# KiCad board ulx4m_panel.kicad_pcb (continued)
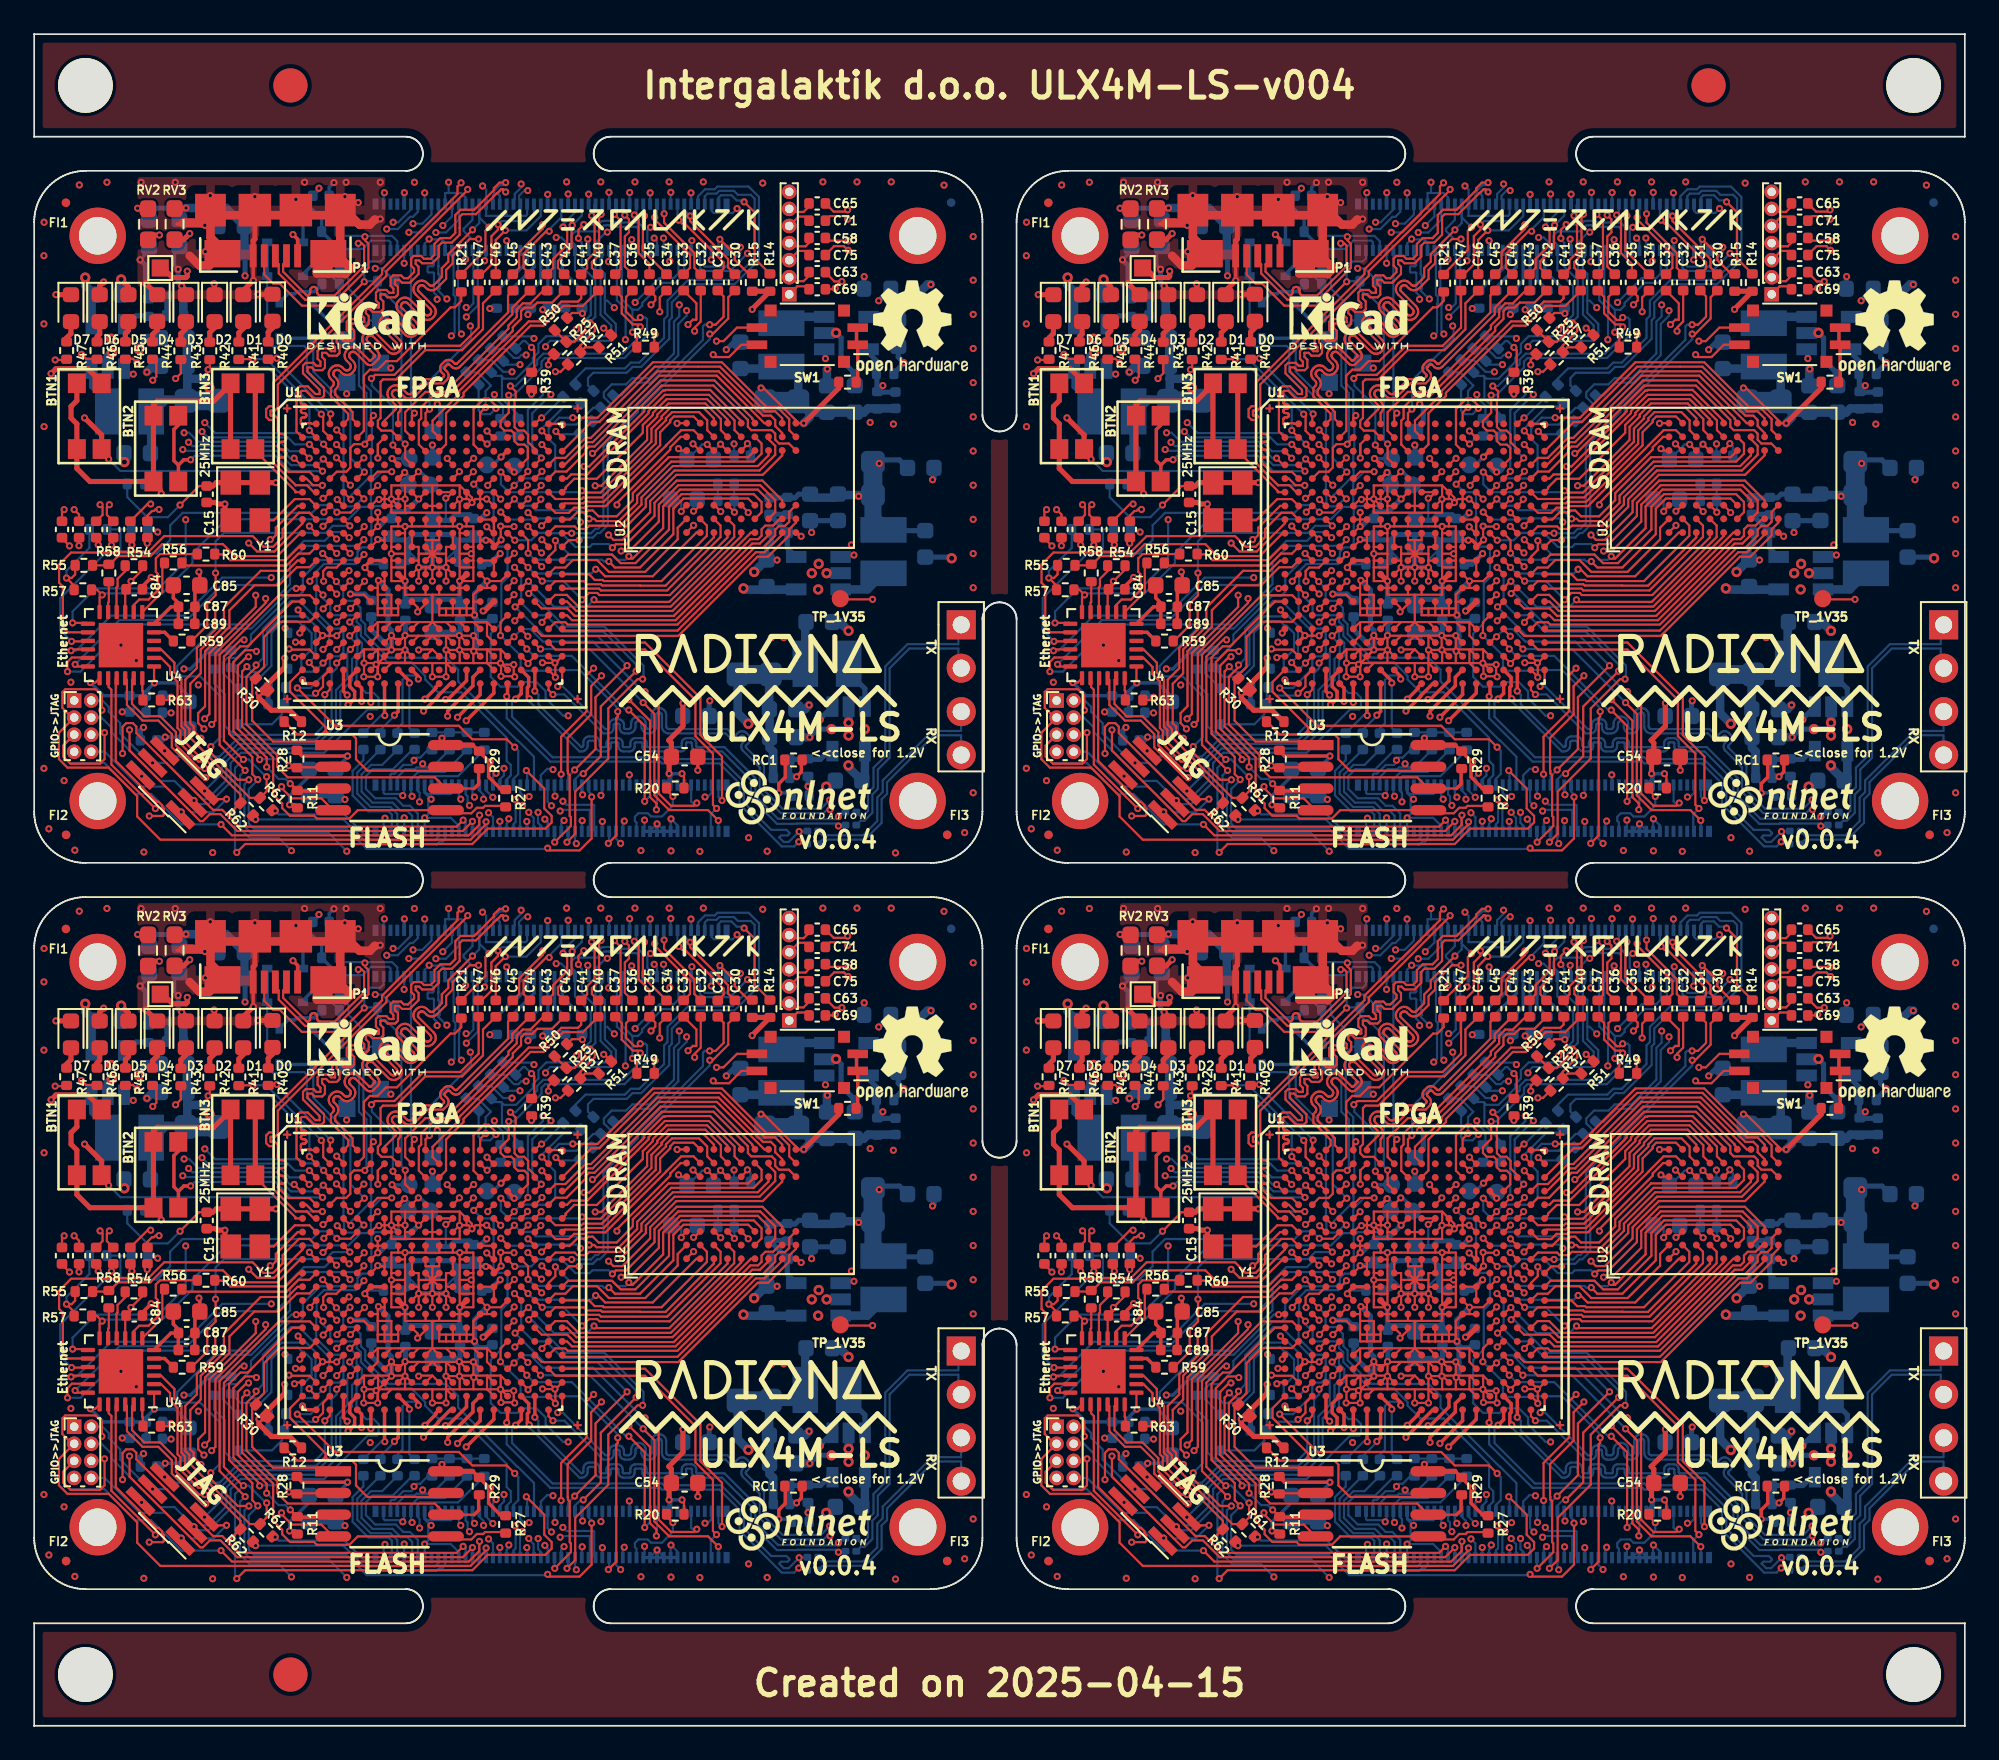
[diagram p0: board, top side]
## Routing (per net, layer and track width the routed paths; a pad name or vN(x,y) marks a point on that pad's centre or on a via; arc(x,y) is an arc through that point) (continued)
Board_2-HDMI1_CLK_P: length 4.6
  Top w0.127: C41.2 32.37,42.81 32.37,43.29 32.81,43.72 32.81,45.56 32.69,45.68
  Top w0.2: 32.69,45.68 32.63,45.74 v1(32.63,45.88)
  Bottom w0.127: v1(32.63,45.88) 32.78,46.03 32.78,46.48 J2#4.64
Board_2-HDMI1_HOTPLUG: length 3
  Bottom w0.2: R17#2.2 27.91,42.32 28.01,42.32 28.86,43.17 28.86,43.7
Board_2-HDMI1_SCL: length 2.5
  Bottom w0.2: 29.66,43.7 29.66,42.08 29.07,41.49 R10.2
Board_2-HDMI1_SDA: length 2.7
  Bottom w0.2: R13#2.2 28.07,41.67 29.26,42.86 29.26,43.7
Board_2-HDMI1_TX0_N: length 4.8
  Top w0.127: v1(31.5,45.32) 31.46,45.28 31.46,44.02 30.66,43.22 30.66,42.82 C42#4.2
  Bottom w0.127: v1(31.5,45.32) 32.06,45.88 J2#4.60
Board_2-HDMI1_TX0_P: length 5
  Top w0.127: C43#4.2 30.38,42.82 30.38,43.35 31.2,44.17 31.2,44.97 v1(30.96,45.21)
  Bottom w0.127: v1(30.96,45.21) 30.96,45.37 31.66,46.07 J2#4.58
Board_2-HDMI1_TX1_N: length 5.3
  Top w0.127: C44#3.2 28.65,42.83 28.65,43.65 29.97,44.97 v1(30.15,44.97)
  Bottom w0.127: J2#4.54 30.86,45.78 30.15,45.08 v1(30.15,44.97)
Board_2-HDMI1_TX1_P: length 5.1
  Top w0.127: v1(29.76,45.35) 29.76,45.12 28.39,43.75 28.39,42.83 C45#2.2
  Bottom w0.127: v1(29.76,45.35) 30.46,46.05 J2#4.52
Board_2-HDMI1_TX2_N: length 5.9
  Top w0.127: v1(27.58,45.02) 27.02,44.46 C46#2.2
  Bottom w0.127: J2#4.48 29.66,45.86 28.82,45.02 v1(27.58,45.02)
Board_2-HDMI1_TX2_P: length 6.5
  Top w0.127: C47.2 26.2,42.46 26.77,43.02 26.77,44.67 27.15,45.06 v1(27.15,45.36)
  Bottom w0.127: v1(27.15,45.36) 27.36,45.57 28.94,45.57 29.26,45.88 J2#4.46
Board_2-ID_SC: length 62.4
  Top w0.127: U1#3.J3 17.36,27.3 v1(17.7,26.96)
  In2signal.Cu w0.127: v1(17.7,26.96) 17.62,27.04 15.82,27.04 15.25,27.61 8.62,27.61 8.2,28.02 1.5,28.02 1.12,27.65 1.12,13.93 1.29,13.76 1.29,10.78 2.79,9.29 11.81,9.29 12.08,9.56 26.53,9.56 27.26,10.29 v1(27.26,10.44)
  Bottom w0.127: J1#2.35 27.26,10.43 v1(27.26,10.44)
Board_2-ID_SD: length 63.1
  Top w0.127: U1#3.H1 15.71,27.88 14.06,26.23 13.05,26.23 v1(12.56,26.72)
  In2signal.Cu w0.127: 12.6,26.81 12.1,27.31 8.05,27.31 7.59,27.77 1.61,27.77 1.38,27.54 1.38,14.04 1.78,13.64 5.07,13.64 5.93,12.78 5.93,10.63 6.46,10.09 7.01,10.09 7.19,10.27 7.66,10.27 8.34,9.6 11.76,9.6 11.98,9.81 26.43,9.81 26.86,10.25 26.86,10.63 27.5,11.27 27.5,13.54 v1(27.5,13.54)
  Bottom w0.127: J1#2.36 27.26,12.88 27.5,13.13 v1(27.5,13.54)
Board_2-JTAG_TCK: length 26.5
  Top w0.127: U1#3.T5 18.51,21.3 v1(18.47,21.3)
  Bottom w0.127: J6.2 3.35,17.5 4,17.5 4.36,17.13 4.36,16.85 5.04,16.17 5.04,15.58 6.77,13.85 v1(6.93,13.85) 7.76,13.85 9.87,11.74 10.14,11.74 11.25,12.84 11.25,13.94 12,14.7 16.74,14.7 17.92,15.87 17.92,17.44 17.92,17.45 17.92,18.01 18.61,18.7 18.61,19.94 18.92,20.25 18.92,20.78 18.47,21.23 v1(18.47,21.3)
Board_2-JTAG_TDI: length 28.9
  Top w0.127: U1#3.R5 18.51,22.1 v1(18.48,22.1)
  Bottom w0.127: J6.4 3.94,16.51 4.52,15.93 4.52,15.66 7.38,12.8 8.22,12.8 v1(9.36,11.65) 9.57,11.44 10.22,11.44 11.5,12.73 11.5,13.85 12.1,14.45 16.98,14.45 19.52,16.99 20.06,16.99 20.16,17.09 20.16,17.67 19.88,17.95 19.43,17.95 18.87,18.51 18.87,19.84 19.18,20.15 19.18,20.88 18.87,21.19 18.87,21.7 v1(18.48,22.1)
Board_2-JTAG_TDO: length 19.6
  Top w0.127: v1(17.71,19.7) U1#3.V4
  In2signal.Cu w0.127: v1(7.64,14.56) 7.32,14.88 4.8,14.88 4.45,15.23 3.62,15.23 J6.6
  Bottom w0.127: v1(17.71,19.7) 17.71,19.4 17.42,19.11 17.42,16.13 16.5,15.22 11.84,15.22 10.85,14.23 7.97,14.23 v1(7.64,14.56)
Board_2-JTAG_TMS: length 26.3
  Top w0.127: v1(11.26,11.74) 10.44,11.74 v1(9.97,12.21) ; U1#3.U5 v1(18.51,20.5)
  Bottom w0.127: v1(9.97,12.21) 10.99,13.24 10.99,14.04 11.92,14.97 16.6,14.97 17.66,16.03 17.66,17.55 17.67,17.55 17.67,18.12 18.33,18.78 18.33,20.32 v1(18.51,20.5) ; v1(11.26,11.74) 10.49,10.97 9.2,10.97 7.7,12.47 6.17,12.47 4.13,14.51 J6.8
Board_2-LED0: length 5.7
  Top w0.127: U1#3.A3 17.31,34.23 v1(17.36,34.28) ; v1(14.21,37.54) 14.18,37.51 13.7,37.51
  Bottom w0.127: v1(14.21,37.54) 14.21,37.43 v1(17.36,34.28)
Board_2-LED1: length 7.7
  Top w0.127: v1(16.81,34.26) 16.92,34.15 16.92,33.29 U1#3.B3 ; v1(12.81,37.49) 11.99,37.49
  Bottom w0.127: v1(12.81,37.49) 13.58,37.49 v1(16.81,34.26)
Board_2-LED2: length 9.5
  Top w0.127: v1(10.18,36.87) 10.28,36.97 10.28,37.49 ; U1#3.B2 16.11,33.3 v1(16.11,33.32)
  Bottom w0.127: v1(10.18,36.87) 10.3,36.99 13.7,36.99 16.11,34.58 v1(16.11,33.32)
Board_2-LED3: length 12.6
  Top w0.127: v1(16.94,32.51) 16.94,32.46 U1#3.C3 ; 8.59,37.49 8.59,36.65 v1(8.28,36.35)
  In2signal.Cu w0.127: v1(9.99,33.77) 9.91,33.77 8.28,35.4 v1(8.28,36.35)
  Bottom w0.127: v1(16.94,32.51) 16.53,32.92 15.79,32.92 15.55,33.16 10.6,33.16 v1(9.99,33.77)
Board_2-LED4: length 12.8
  Top w0.127: 6.93,37.51 7.15,37.28 7.15,36.46 v1(6.94,36.25) ; U1#3.C2 v1(16.11,32.5)
  In2signal.Cu w0.127: v1(6.94,36.25) 6.94,36.13 v1(9.82,33.25)
  Bottom w0.127: v1(9.82,33.25) 10.17,32.9 14.85,32.9 15.26,32.5 v1(16.11,32.5)
Board_2-LED5: length 14.5
  Top w0.127: v1(16.1,31.69) 15.71,32.08 U1#3.C1 ; 5.34,37.51 5.78,37.51 v1(6.02,37.27)
  In2signal.Cu w0.127: v1(8.78,33.17) 6.2,35.75 6.2,37.09 v1(6.02,37.27)
  Bottom w0.127: v1(8.78,33.17) 9.07,33.17 9.6,32.65 14.39,32.65 14.94,32.1 15.69,32.1 v1(16.1,31.69)
Board_2-LED6: length 16.6
  Top w0.127: v1(2.77,37.77) 3.03,37.51 3.68,37.51 ; U1#3.D1 15.61,31.3 v1(15.22,31.69)
  In2signal.Cu w0.127: v1(9.04,32.62) 8.74,32.62 5.22,36.14 4.69,36.14 3.07,37.77 v1(2.77,37.77)
  Bottom w0.127: v1(15.22,31.69) 14.98,31.69 14.27,32.39 9.26,32.39 v1(9.04,32.62)
Board_2-LED7: length 19.6
  Top w0.127: v1(16.92,31.64) 17.27,31.3 U1#3.D3 ; 1.9,37.51 1.83,37.44 v1(1.23,37.44)
  In2signal.Cu w0.127: v1(1.23,37.44) 1.4,37.27 3.13,37.27 4.51,35.89 5,35.89 5.82,35.06 5.83,35.06 v1(8.7,32.19)
  Bottom w0.127: v1(16.92,31.64) 16.56,31.28 15.03,31.28 14.19,32.12 8.77,32.12 v1(8.7,32.19)
Board_2-Net-(BTN1-Pad1): length 25.6
  Top w0.127: v3(7.44,29.61) 7.44,29.87 BTN2#3.1
  Top w0.3: BTN3#2.1 BTN3#2.1 11.5,36.01 10.51,35.03 7.21,35.03 6.98,34.8 BTN2#3.1 BTN2#3.1 3.27,30.32 2.5,31.09 BTN1.1 2.5,33.7 2.16,34.04 2.16,34.72 2.5,35.06 BTN1.1
  Bottom w0.127: v3(7.44,29.61) 6.87,30.18 R18.1
Board_2-Net-(R70-Pad2): length 3.2
  Top w0.2: SW1.1 48.21,36.23 R70.2 ; 48.14,39.32 48.14,38.32
Board_2-Net-(RC1-Pad1): length 2.9
  Top w0.2: 43.97,14.03 43.97,13.02 43.59,12.64 v1(43.59,12.1)
  Bottom w0.2: v1(43.59,12.1) 44.23,12.1 44.38,11.95
Board_2-Net-(U1A-PT13B): length 1.5
  Top w0.2: v1(20.95,31.67) 21.31,31.31 U1#3.D8
  Bottom w0.2: v1(20.95,31.67) 20.96,31.66 TP_D8#4.1
Board_2-Net-(U1A-PT20B): length 1.7
  Top w0.127: v1(22.49,30.9) 22.11,30.52 U1#3.E9
  Bottom w0.2: TP_E9#4.1 23.17,30.33 22.6,30.9 v1(22.49,30.9)
Board_2-Net-(U1B-GR_PCLK1_0): length 11.6
  Top w0.127: v1(24.18,31.67) 24.18,31.63 U1#3.D12
  In2signal.Cu w0.127: v1(24.18,31.67) 24.62,32.11 24.62,34.12 25.26,34.76 25.26,35.52 27.47,37.73 v1(28.8,37.73)
  Bottom w0.127: v1(28.8,37.73) 28.52,37.73 28.35,37.55 28.08,37.55 27.54,38.1 R26#2.2
Board_2-Net-(U1B-GR_PCLK1_1): length 10.3
  Top w0.127: U1#3.E12 24.89,30.88 v1(24.89,30.9)
  In2signal.Cu w0.127: v1(28.44,37.16) 28.11,37.5 27.63,37.5 25.52,35.39 25.52,34.66 24.89,34.03 v1(24.89,30.9)
  Bottom w0.127: R38#4.1 27.68,37.16 v1(28.44,37.16)
Board_2-Net-(U1B-PT80A): length 9.8
  Top w0.127: R25.2 30.1,37.45 v1(30.1,37.15) ; v1(25.73,31.68) 25.69,31.68 U1#3.D13
  In2signal.Cu w0.127: v1(25.73,31.68) 25.73,31.91 25.29,32.35 25.29,33.12 26.15,33.98 27.32,33.98 28.26,34.91 28.26,35.58 29.83,37.15 v1(30.1,37.15)
Board_2-Net-(U1B-PT80B): length 10.9
  Top w0.127: R37.1 30.82,36.75 v1(30.51,36.75) ; U1#3.E13 v1(25.71,30.9)
  In2signal.Cu w0.127: v1(30.51,36.75) 29.79,36.75 28.51,35.47 28.51,34.81 27.43,33.73 26.26,33.73 25.55,33.02 25.55,32.44 26.13,31.86 26.13,31.32 v1(25.71,30.9)
Board_2-Net-(U1B-PT83A): length 4.3
  Top w0.127: U1#3.A14 26.11,34.35 v1(26.43,34.66)
  Bottom w0.127: R24.2 25.97,36.7 26.74,35.94 26.43,35.62 v1(26.43,34.66)
Board_2-Net-(U1B-PT83B): length 7.3
  Top w0.127: U1#3.C14 25.72,32.49 25.72,34.56 26.34,35.17 26.6,35.17 27.03,34.75 v1(27.03,34.6)
  Bottom w0.127: R36.1 26.02,34.48 26.24,34.26 26.69,34.26 v1(27.03,34.6)
Board_2-Net-(U1B-PT112A): length 1.5
  Top w0.2: U1#3.C16 27.67,32.1 v1(27.33,31.76)
  Bottom w0.2: v1(27.33,31.76) 26.87,31.3 TP_C16#2.1
Board_2-Net-(U1B-PT112B): length 0.9
  Top w0.2: v1(28.1,30.88) 27.71,31.27 U1#3.D16
  Bottom w0.2: v1(28.1,30.88) 28.11,30.89 TP_D16#3.1
Board_2-Net-(U1B-PT119A): length 2.3
  Top w0.127: U1#3.A18 29.66,34.05 v1(29.7,34.05)
  Bottom w0.127: v1(29.7,34.05) 29.74,34.05 R23#3.2
Board_2-Net-(U1B-PT119B): length 3.6
  Top w0.127: U1#3.B19 v1(29.72,33.29)
  Bottom w0.127: R35#2.1 31.83,34.71 31.02,34.71 29.72,33.42 v1(29.72,33.29)
Board_2-Net-(U1B-PT121A): length 3.5
  Top w0.127: U1#3.A19 30.88,33.7 v1(30.92,33.66)
  Bottom w0.127: v1(30.92,33.66) 31.75,33.66 32.73,34.64 R22#2.2
Board_2-Net-(U1B-PT121B): length 2
  Top w0.127: v1(30.54,33.26) 30.55,33.26 U1#3.B20
  Bottom w0.127: R34#3.1 31.9,33.09 30.71,33.09 v1(30.54,33.26)
Board_2-nEXTRST: length 16.9
  Top w0.127: v1(40.26,11.66) 40.26,14.22 39,15.49 39,17.66 35.76,20.9 U1#3.U20
  Bottom w0.127: v1(40.26,11.66) 40.06,11.86 J1#2.100
Board_2-PCIe_CLK_N: length 35.9
  Top w0.127: v1(1.75,28.68) 1.63,28.55 C66.2
  In2signal.Cu w0.127: v1(20.64,45.1) 20.83,44.91 20.83,43.44 20.65,43.27 20.65,43.14 20.83,42.97 20.83,42.2 17.71,39.08 17.29,39.08 17.06,39.3 16.43,39.3 16.28,39.15 16.28,38.52 16.5,38.29 16.5,38.21 15.37,37.08 15.3,37.08 15.13,37.24 14.84,37.24 14.59,36.99 14.59,36.7 15.09,36.21 15.09,36.1 14.98,36 14.91,36 14.4,36.51 14.11,36.51 13.82,36.22 13.82,35.53 12.05,33.75 12.05,33.52 12.21,33.36 12.21,33.34 12.05,33.18 12.03,33.18 11.87,33.34 11.64,33.34 9.26,30.97 3.02,30.97 2.78,30.73 2.57,30.73 2.53,30.77 2.32,30.77 2.32,30.56 2.36,30.52 2.36,30.31 1.91,29.86 1.91,28.95 1.75,28.78
  Bottom w0.127: J2#4.12 22.46,46.1 22.17,45.81 22,45.81 21.29,45.1 v1(20.64,45.1)
Board_2-PCIe_CLK_nREQ: length 19.2
  Top w0.127: v1(23.14,34.56) 22.91,34.33 U1#3.A10
  In2signal.Cu w0.127: v1(25.53,39.43) 25.8,39.7 25.8,40.72 24.7,41.82 24.7,45.59 23.8,46.49 21.24,46.49 v1(20.5,47.23)
  Bottom w0.127: v1(20.5,47.23) 20.46,47.18 J2#4.2 ; v1(25.53,39.43) 25.58,39.38 25.58,38.67 23.15,36.24 23.15,34.57 v1(23.14,34.56)
Board_2-PCIe_CLK_P: length 35.3
  Top w0.127: C59#2.1 2.63,28.39 v1(2.34,28.68)
  In2signal.Cu w0.127: v1(21.02,45.5) 21.08,45.43 21.08,44.28 21.33,44.03 21.33,43.98 21.08,43.73 21.08,42.09 17.81,38.82 17.18,38.82 16.95,39.05 16.53,39.05 16.53,38.62 16.76,38.4 16.76,38.1 15.48,36.82 15.19,36.82 15.03,36.99 14.95,36.99 14.85,36.88 14.85,36.81 15.06,36.59 15.07,36.59 15.34,36.32 15.34,36 15.09,35.74 14.8,35.74 14.29,36.25 14.22,36.25 14.11,36.15 14.11,36.07 14.28,35.91 14.28,35.62 12.3,33.65 12.3,33.63 12.47,33.46 12.47,33.23 12.16,32.92 11.93,32.92 11.76,33.09 11.74,33.09 9.37,30.72 3.13,30.72 2.19,29.78 2.19,28.83 v1(2.34,28.68)
  Bottom w0.127: v1(21.02,45.5) 21.31,45.5 22.06,46.24 J2#4.10
Board_2-PCIe_nRST: length 10.3
  Top w0.127: v1(22.26,34.32) 22.11,34.18 U1#3.A9
  Bottom w0.127: J2#4.9 22.06,34.52 v1(22.26,34.32)
Board_2-PCIe_RX_N: length 35.2
  Top w0.127: v1(3.86,28.97) 4,28.82 4,28.37 C67#3.2
  In2signal.Cu w0.127: v1(3.86,28.97) 4,29.11 4,29.4 4.38,29.77 4.94,29.77 5.22,29.5 5.22,28.99 5.34,28.86 5.47,28.99 5.47,30.12 5.74,30.38 5.97,30.38 6.23,30.12 6.23,29.89 6.35,29.77 6.67,29.77 7.24,30.34 7.68,30.34 7.78,30.44 7.98,30.44 8.08,30.34 8.28,30.34 8.38,30.44 8.58,30.44 8.68,30.34 10.33,30.34 10.33,30.51 10.16,30.67 10.16,31.04 10.33,31.21 10.7,31.21 10.87,31.04 11.03,31.04 11.04,31.06 11.04,31.22 10.88,31.38 10.88,31.76 11.04,31.92 11.41,31.92 11.58,31.76 11.74,31.76 14.04,34.06 22.42,42.44 22.42,44.76 22.28,44.91 v1(21.93,44.91)
  Bottom w0.127: J2#4.18 23.66,45.95 22.61,44.91 v1(21.93,44.91)
Board_2-PCIe_RX_P: length 35.5
  Top w0.127: v1(4.4,28.97) 4.26,28.82 4.26,28.37 C61#3.1
  In2signal.Cu w0.127: v1(22.18,45.41) 22.68,44.91 22.68,42.84 22.8,42.71 23.11,42.71 23.24,42.59 23.11,42.46 22.8,42.46 11.93,31.59 11.85,31.5 11.47,31.5 11.31,31.67 11.15,31.67 11.13,31.65 11.13,31.49 11.29,31.32 11.29,30.95 11.13,30.79 10.76,30.79 10.6,30.95 10.43,30.95 10.42,30.94 10.42,30.77 10.58,30.61 10.58,30.24 10.43,30.09 8.12,30.09 7.92,29.89 7.82,29.89 7.62,30.09 7.34,30.09 6.77,29.52 6.24,29.52 5.98,29.78 5.98,30.01 5.87,30.13 5.84,30.13 5.73,30.01 5.73,28.88 5.45,28.61 5.24,28.61 4.96,28.88 4.96,29.39 4.84,29.52 4.48,29.52 4.26,29.29 4.26,29.11 v1(4.4,28.97)
  Bottom w0.127: v1(22.18,45.41) 22.72,45.41 23.26,45.95 J2#4.16
Board_2-PCIe_TX_N: length 34.9
  Top w0.127: C72#2.2 6.64,29.01 v1(6.82,29.01)
  In2signal.Cu w0.127: v1(6.82,29.01) 7.04,29.01 7.12,29.09 7.7,29.09 8.24,29.62 10.82,29.62 11.98,30.79 12.05,30.84 12.13,30.88 12.21,30.9 12.29,30.9 12.38,30.88 12.45,30.84 12.52,30.79 12.97,30.34 12.99,30.32 13.02,30.31 13.05,30.3 13.09,30.3 13.12,30.31 13.15,30.32 13.17,30.34 13.19,30.37 13.21,30.4 13.21,30.43 13.21,30.46 13.21,30.49 13.19,30.52 13.17,30.55 12.73,30.99 12.67,31.06 12.64,31.14 12.62,31.22 12.62,31.3 12.64,31.39 12.67,31.46 12.73,31.53 12.76,31.56 12.83,31.62 12.9,31.65 12.99,31.67 13.07,31.67 13.16,31.65 13.23,31.62 13.3,31.56 13.74,31.12 13.77,31.1 13.8,31.08 13.83,31.08 13.86,31.08 13.9,31.08 13.92,31.1 13.95,31.12 13.97,31.14 13.98,31.17 13.99,31.21 13.99,31.24 13.98,31.27 13.97,31.3 13.95,31.33 13.51,31.77 13.45,31.84 13.42,31.91 13.4,32 13.4,32.08 13.42,32.17 13.45,32.24 13.51,32.31 13.54,32.34 13.61,32.4 13.68,32.43 13.77,32.45 13.85,32.45 13.93,32.43 14.01,32.4 14.08,32.34 14.38,32.04 14.41,32.02 14.44,32 14.47,32 14.5,32 14.53,32 14.56,32.02 14.59,32.04 14.61,32.06 14.62,32.09 14.63,32.13 14.63,32.16 14.62,32.19 14.61,32.22 14.59,32.24 14.28,32.55 14.23,32.61 14.19,32.69 14.17,32.77 14.17,32.86 14.19,32.94 14.23,33.02 14.28,33.09 14.31,33.11 14.35,33.15 14.41,33.17 14.46,33.19 14.52,33.19 14.57,33.17 14.62,33.15 14.67,33.11 14.77,33.01 14.78,33.01 14.78,33.01 14.98,33.21 14.98,33.21 14.98,33.22 14.87,33.32 14.84,33.36 14.81,33.42 14.8,33.47 14.8,33.53 14.81,33.58 14.84,33.63 14.87,33.68 15.08,33.88 18.88,37.69 19.27,37.69 23.66,42.08 23.66,44.75 v1(23.51,44.89)
  Bottom w0.127: v1(23.51,44.89) 24.11,44.89 24.86,45.65 24.86,46.41
Board_2-PCIe_TX_P: length 34.6
  Top w0.127: C55.1 6.63,28.33 6.9,28.6 7.01,28.6 7.1,28.69 v1(7.31,28.69)
  In2signal.Cu w0.127: v1(23.92,45.3) 23.92,44.12 24.07,43.97 24.27,43.97 24.42,43.82 24.27,43.67 24.07,43.67 23.92,43.52 23.92,41.98 19.88,37.93 19.88,37.92 19.38,37.43 18.99,37.43 15.07,33.5 15.06,33.5 15.07,33.49 15.17,33.39 15.2,33.35 15.23,33.29 15.24,33.24 15.24,33.18 15.23,33.13 15.2,33.08 15.17,33.03 14.95,32.82 14.91,32.78 14.86,32.76 14.8,32.75 14.75,32.75 14.69,32.76 14.64,32.78 14.6,32.82 14.5,32.92 14.49,32.92 14.48,32.92 14.46,32.89 14.45,32.87 14.44,32.83 14.44,32.8 14.45,32.77 14.46,32.74 14.48,32.71 14.79,32.41 14.84,32.34 14.88,32.27 14.9,32.18 14.9,32.1 14.88,32.02 14.84,31.94 14.79,31.87 14.75,31.84 14.69,31.79 14.61,31.75 14.53,31.73 14.44,31.73 14.36,31.75 14.28,31.79 14.21,31.84 13.91,32.14 13.89,32.16 13.86,32.18 13.82,32.18 13.79,32.18 13.76,32.18 13.73,32.16 13.7,32.14 13.68,32.12 13.67,32.09 13.66,32.06 13.66,32.02 13.67,31.99 13.68,31.96 13.7,31.94 14.15,31.49 14.2,31.43 14.24,31.35 14.26,31.27 14.26,31.18 14.24,31.1 14.2,31.02 14.15,30.95 14.12,30.92 14.05,30.87 13.97,30.83 13.89,30.81 13.8,30.81 13.72,30.83 13.64,30.87 13.58,30.92 13.13,31.36 13.11,31.39 13.08,31.4 13.05,31.41 13.01,31.41 12.98,31.4 12.95,31.39 12.93,31.36 12.91,31.34 12.89,31.31 12.89,31.28 12.89,31.25 12.89,31.21 12.91,31.18 12.93,31.16 13.37,30.71 13.42,30.65 13.46,30.57 13.48,30.49 13.48,30.4 13.46,30.32 13.42,30.24 13.37,30.18 13.34,30.14 13.27,30.09 13.2,30.05 13.11,30.03 13.03,30.03 12.94,30.05 12.87,30.09 12.8,30.14 12.36,30.59 12.33,30.61 12.3,30.62 12.27,30.63 12.24,30.63 12.2,30.62 12.17,30.61 12.15,30.59 10.93,29.37 9.23,29.37 9.06,29.19 8.93,29.19 8.76,29.37 8.35,29.37 7.76,28.78 7.4,28.78 v1(7.31,28.69)
  Bottom w0.127: J2#4.22 24.46,45.84 v1(23.92,45.3)
Board_2-PWRBTn: length 20.8
  Top w0.2: v1(21.69,30.86) 21.33,30.5 U1#3.E8
  Bottom w0.127: TP_E8#4.1 21.33,29.58 21.33,29.16 21.06,28.89 19.96,28.89 19.74,28.67 19.74,26.65 19.55,26.47 19.2,26.47 18.94,26.21 18.93,26.21 18.93,25.96 18.7,25.73 16.74,25.73 15.73,24.72 15.73,23.87 ; 15.73,23.85 15.73,23.87 ; 15.73,23.87 15.5,23.64 14.97,23.64 12.69,21.36 12.69,20.82 11.87,20 11.3,20 11.05,19.74 11.05,19.11 D28.1
  Bottom w0.2: v1(21.69,30.86) 21.9,30.65 TP_E8#4.1
Board_2-RGMII_REF_CLK: length 22.6
  Top w0.127: U4#3.14 1.98,21.5 1.68,21.8 1.68,24.21 1.65,24.21 1.46,24.4 1.46,25.47 2.16,26.17 4.76,26.17 4.8,26.21 6.69,26.21 7.61,27.13 12.79,27.13 13.41,26.51 13.99,26.51 14.55,27.06 14.55,27.54 15.5,28.5 16.11,28.5 U1#3.H2
Board_2-RGMII_RX_DV: length 13.6
  Top w0.127: R55#2.2 4.31,25.42 R58#2.1 4.43,25.48 4.91,25.96 6.8,25.96 7.5,26.66 8.47,26.66 8.47,26.66 11.05,26.66 11.75,25.96 14.23,25.96 15.57,27.3 U1#3.J1
Board_2-RGMII_RXD0: length 5.6
  Top w0.127: U1#3.K1 15.5,26.5 14.72,25.72 11.48,25.72 11.14,26.06 10.59,26.06 R60#4.2
Board_2-RGMII_RXD1: length 8.4
  Top w0.127: R56#2.2 8.8,25.41 14.77,25.41 15.47,26.11 16.12,26.11 U1#3.K2
Board_2-RGMII_TX_CLK: length 15.2
  Top w0.127: v1(18.48,27.73) U1#3.H4 ; v1(10.62,24.97) 10.62,24.97 10.62,23.66 10.13,23.17 10.13,21.91 9.21,20.99 R59#4.2
  Bottom w0.127: v1(10.62,24.97) 10.62,26.82 11.11,27.32 17.07,27.32 17.48,27.73 v1(18.48,27.73)
Board_2-RGMII_TX_EN: length 19.8
  Top w0.127: v1(17.71,26.12) 17.69,26.12 U1#3.K3 ; U4#3.16 2.24,20.5 v1(2.16,20.42)
  In2signal.Cu w0.127: v1(13.88,24.7) 15.67,26.49 17.05,26.49 17.42,26.12 v1(17.71,26.12)
  Bottom w0.127: v1(13.88,24.7) 11.01,24.7 8.79,22.48 4.51,22.48 2.46,20.42 v1(2.16,20.42)
Board_2-RGMII_TXD0: length 23.8
  Top w0.127: U1#3.K5 19.3,26.89 v1(19.3,26.92) ; v1(1.95,19.2) 1.95,19.77 2.21,20.02 3.12,20.02 U4#3.17
  Bottom w0.127: v1(1.95,19.2) 2.71,19.2 5.47,21.96 12.62,21.96 14.98,24.32 14.98,25.61 15.93,26.56 18.93,26.56 v1(19.3,26.92)
Board_2-RGMII_TXD1: length 21.2
  Top w0.127: U4#3.18 2.53,19.5 v1(2.4,19.62) ; v1(18.44,27.04) 18.37,27.04 U1#3.J4
  Bottom w0.127: v1(2.4,19.62) 4.99,22.22 8.94,22.22 10.99,24.27 14.14,24.27 14.67,24.8 14.67,25.73 15.79,26.85 17,26.85 17.52,27.37 18.11,27.37 v1(18.44,27.04)
Board_2-RUN_PG: length 20.1
  Top w0.127: v1(28.1,21.24) 28.05,21.24 U1#3.U16 ; v1(35.76,18.02) 36.56,17.22 36.56,12.07 37.28,11.35 38.63,11.35 v1(38.79,11.51)
  Bottom w0.127: v1(38.79,11.51) 38.78,11.49 38.56,11.49 38.46,11.59 J1#2.92 ; v1(28.1,21.24) 28.54,21.69 29.05,21.69 29.78,20.96 32.71,20.96 35.64,18.02 v1(35.76,18.02)
Board_2-SCL0: length 14.8
  Top w0.127: v1(28.84,20.52) 28.84,20.56 U1#3.U17 ; v1(34.81,16.95) 35.74,16.02 v1(35.74,11.6)
  Bottom w0.127: J1#2.80 36.06,11.92 v1(35.74,11.6) ; v1(28.84,20.52) 29.25,20.12 31.47,20.12 34.64,16.95 v1(34.81,16.95)
Board_2-SD_CLK: length 45.5
  Top w0.127: U1#3.G1 15.43,28.9 14.15,27.62 14.15,27.18 13.87,26.91 13.84,26.91 v1(13.82,26.93) ; v1(12.57,12.87) 11.92,12.87 10.37,14.42 10.04,14.42 9.09,15.37 9.09,15.84 8.85,16.08 8.85,18.72 9.52,19.4 9.52,20.58 10.6,21.66 v1(10.6,22.94)
  In2signal.Cu w0.127: v1(18.3,8.69) 18.4,8.79 29.39,8.79 30.2,9.6 31.44,9.6 31.74,9.3 v1(31.74,9.13) ; v1(13.82,26.93) 13.82,26.89 10.6,23.67 v1(10.6,22.94)
  Bottom w0.127: v1(12.57,12.87) 12.31,12.6 12.31,10.84 12.31,10.13 12.69,9.75 17.24,9.75 v1(18.3,8.69) ; v1(31.74,9.13) 31.66,9.21 J1#2.57
Board_2-SD_CMD: length 40.5
  Top w0.127: v1(13.09,12.88) 12.77,13.2 12.77,14.21 11.41,15.56 11.41,20.02 12.07,20.68 12.5,20.68 15.12,23.3 U1#3.P1 ; v1(30.06,8.87) 30.19,8.73 31.93,8.73 32.63,9.44 v1(32.63,11.86)
  Bottom w0.127: v1(30.06,8.87) 30.01,8.82 19.47,8.82 18.29,10 12.87,10 12.56,10.3 12.56,12.32 13.09,12.85 v1(13.09,12.88) ; J1#2.62 32.46,12.18 32.63,12.01 v1(32.63,11.86)
Board_2-SD_D0: length 28.7
  Top w0.127: v1(26.51,33.28) 26.89,32.9 U1#3.B15
  In2signal.Cu w0.127: v1(26.51,33.28) 25.95,32.72 25.95,32.42 26.4,31.97 26.4,30.57 26.39,30.57 26.13,30.31 26.13,29.49 26.04,29.4 26.04,24.27 27.2,23.12 27.2,22.01 27.7,21.51 27.7,20.61 28.48,19.83 28.48,19.45 28.67,19.26 29.05,19.26 29.97,18.34 29.97,17.04 29.97,17.03 29.97,12.9 30.35,12.52 30.57,12.52 30.95,12.15 v1(30.95,11.61)
  Bottom w0.127: J1#2.63 32.78,9.92 32.78,11.36 32.74,11.4 31.16,11.4 v1(30.95,11.61)
Board_2-SD_D1: length 19.4
  Top w0.127: U1#3.R16 27.3,22.09 27.3,21.31 v1(27.3,21.31) ; v1(33.61,9.15) 34.07,9.61 34.07,16.47 34.16,16.56 v1(34.16,16.86)
  Bottom w0.127: v1(34.16,16.86) 34.16,17.05 31.93,19.29 30.17,19.29 30.13,19.25 28.53,19.25 28.47,19.3 28.47,20.13 v1(27.3,21.31) ; v1(33.61,9.15) 33.66,9.19 J1#2.67
Board_2-SD_D2: length 29
  Top w0.127: U1#3.E14 26.06,30.5 v1(25.73,30.17)
  In2signal.Cu w0.127: v1(34.33,9.15) 34.12,9.35 34.12,13.75 v1(31.26,16.62)
  Bottom w0.127: J1#2.69 34.06,9.42 v1(34.33,9.15) ; v1(31.26,16.62) 30.96,16.62 29.94,17.64 29.94,18.05 29.41,18.58 28.56,18.58 28.29,18.32 27.3,18.32 26.73,18.89 26.73,21.41 27.35,22.03 27.35,24.35 27.71,24.71 27.71,26.33 27.53,26.51 27.14,26.51 26.9,26.76 26.9,29.49 26.69,29.7 26.2,29.7 v1(25.73,30.17)
Board_2-SD_D3: length 41.7
  Top w0.127: U1#3.P2 16.14,23.67 14.34,23.67 10.85,20.18 10.85,14.91 v1(12.35,13.42)
  In2signal.Cu w0.127: v1(15.06,8.72) 15.42,9.08 29.29,9.08 30.62,10.4 30.62,10.68 30.79,10.85 v1(30.79,11.04)
  Bottom w0.127: v1(30.79,11.04) 30.86,11.1 32.53,11.1 32.53,11.1 32.53,9.92 J1#2.61 ; v1(12.35,13.42) 12.05,13.12 12.05,10.02 12.62,9.46 14.32,9.46 v1(15.06,8.72)
Board_2-SD_PWR_ON: length 29.5
  Top w0.127: R20#2.1 37.02,12.26 v1(37.39,11.89) ; U1#3.E15 26.55,30.14 v1(26.55,30.1)
  In2signal.Cu w0.127: v1(37.39,11.89) 37.09,11.89 36.05,12.93 36.05,14.06 30.83,19.28 29.51,19.28 29.35,19.44 29.35,19.81 29.09,20.07 28.72,20.07 28.44,20.35 28.44,20.71 28.5,20.77 28.5,21.46 28.25,21.71 27.97,21.71 27.48,22.2 27.48,23.26 27.14,23.6 27.14,24.6 26.67,25.07 26.67,26.11 26.9,26.33 26.9,29.75 v1(26.55,30.1)
  Bottom w0.127: J1#2.75 35.26,10.36 35.16,10.46 35.16,10.7 35.37,10.91 35.92,10.91 36.11,10.72 36.75,10.72 37.39,11.35 v1(37.39,11.89)
Board_2-SDA0: length 16.6
  Top w0.127: v1(28.9,21.26) 28.51,21.65 U1#3.T17 28.51,21.67 ; v1(34.81,17.57) 36.05,16.32 36.05,11.86 36.42,11.48 v1(36.42,11.12)
  In2signal.Cu w0.127: v1(34.81,17.57) 33.21,17.57 29.81,20.96 29.2,20.96 v1(28.9,21.26)
  Bottom w0.127: v1(36.42,11.12) 36.46,11.15 J1#2.82
Board_2-SDRAM_A0: length 20.6
  Top w0.127: 27.71,28.14 U1#3.H16 27.71,28.14 ; 27.71,28.14 v1(27.31,28.53) ; v1(33.63,27.19) 33.91,26.91 34.44,26.91 36.06,28.53 36.06,29.18 37.59,30.71 42.65,30.71 43.79,31.85 U2.H7
  In2signal.Cu w0.127: v1(31.98,27.95) 32.73,27.19 v1(33.63,27.19)
  Bottom w0.127: v1(27.31,28.53) 27.75,28.1 29.49,28.1 29.55,28.16 31.76,28.16 v1(31.98,27.95)
Board_2-SDRAM_A1: length 17.9
  Top w0.127: U1#3.D19 30.52,31.71 31.1,31.71 32.27,32.88 32.59,32.88 36.49,36.77 40.07,36.77 42.66,34.18 43.13,34.18 43.38,33.92 43.38,33.57 43.79,33.16 U2.H8
Board_2-SDRAM_A2: length 24.3
  Top w0.127: U2.J8 44.2,33.33 44.2,33.98 43.49,34.69 42.87,34.69 40.26,37.3 36.22,37.3 32.98,34.06 v1(31.53,34.06) ; v1(28.1,30.1) 28.1,30.09 U1#3.F16
  Bottom w0.127: v1(31.53,34.06) 30.73,34.06 30.15,33.48 30.15,33.45 30.12,33.42 30.12,32.82 30.5,32.44 30.5,30.9 30.1,30.5 29.34,30.5 29.33,30.51 28.51,30.51 v1(28.1,30.1)
Board_2-SDRAM_A3: length 19.6
  Top w0.127: v1(32.68,31.97) 32.76,31.97 36.73,35.94 39.77,35.94 41.78,33.92 41.78,33.53 41.98,33.33 43.18,33.33 43.38,33.12 43.38,32.77 43.6,32.55 44.18,32.55 U2.J7 ; U1#3.E18 29.73,30.91 v1(29.73,30.92)
  In2signal.Cu w0.127: v1(29.73,30.92) 30.78,31.97 v1(32.68,31.97)
Board_2-SDRAM_A4: length 18.1
  Top w0.127: U2.J3 44.2,28.55 44.2,27.97 43.96,27.73 43.6,27.73 43.38,27.5 43.38,27.16 42.65,26.44 42.14,26.44 37.65,21.95 31.23,21.95 31.1,22.09 30.5,22.09 U1#3.T19
Board_2-SDRAM_A5: length 18.6
  Top w0.127: U2.J2 44.59,27.91 44.2,27.52 44.2,27.17 42.96,25.93 42.35,25.93 37.71,21.29 29.72,21.29 U1#3.T18
Board_2-SDRAM_A6: length 19.8
  Top w0.127: v1(28.14,26.89) 28.12,26.89 U1#3.J16 ; U2.H3 43.79,29.22 42.63,30.38 37.62,30.38 36.31,29.07 36.31,28.31 34.66,26.65 34.05,26.65 v1(33.85,26.45)
  Bottom w0.127: v1(33.85,26.45) 33.63,26.66 32.68,26.66 32.51,26.49 31.68,26.49 30.88,27.29 29.94,27.29 29.91,27.32 29.53,27.32 29.1,26.89 v1(28.14,26.89)
Board_2-SDRAM_A7: length 17.4
  Top w0.127: U1#3.P18 29.71,22.89 31.21,22.89 31.64,22.46 37.44,22.46 41.93,26.95 42.38,26.95 42.58,27.15 42.58,27.52 42.8,27.75 43.26,27.75 43.65,28.14 U2.H2
Board_2-SDRAM_A8: length 15.4
  Top w0.127: U2.H1 43.79,27.22 42.76,26.18 42.25,26.18 37.66,21.6 31.01,21.6 U1#3.T20
Board_2-SDRAM_A9: length 17.4
  Top w0.127: U1#3.L19 30.11,25.92 30.51,26.32 v1(30.51,26.87) ; v1(34.81,25.94) 34.94,25.82 35.04,25.82 36.82,27.6 36.82,28.86 37.8,29.85 42.36,29.85 42.99,29.22 U2.G3
  Bottom w0.127: v1(30.51,26.87) 31.33,26.05 33.81,26.05 34.12,25.73 34.6,25.73 v1(34.81,25.94)
Board_2-SDRAM_A10: length 16.5
  Top w0.127: U2.H9 43.79,34.02 43.38,34.43 42.76,34.43 40.15,37.04 36.33,37.04 33.09,33.8 32.62,33.8 U1#3.C20